# Allegro board BeagleBoard-xM.brd (continued)
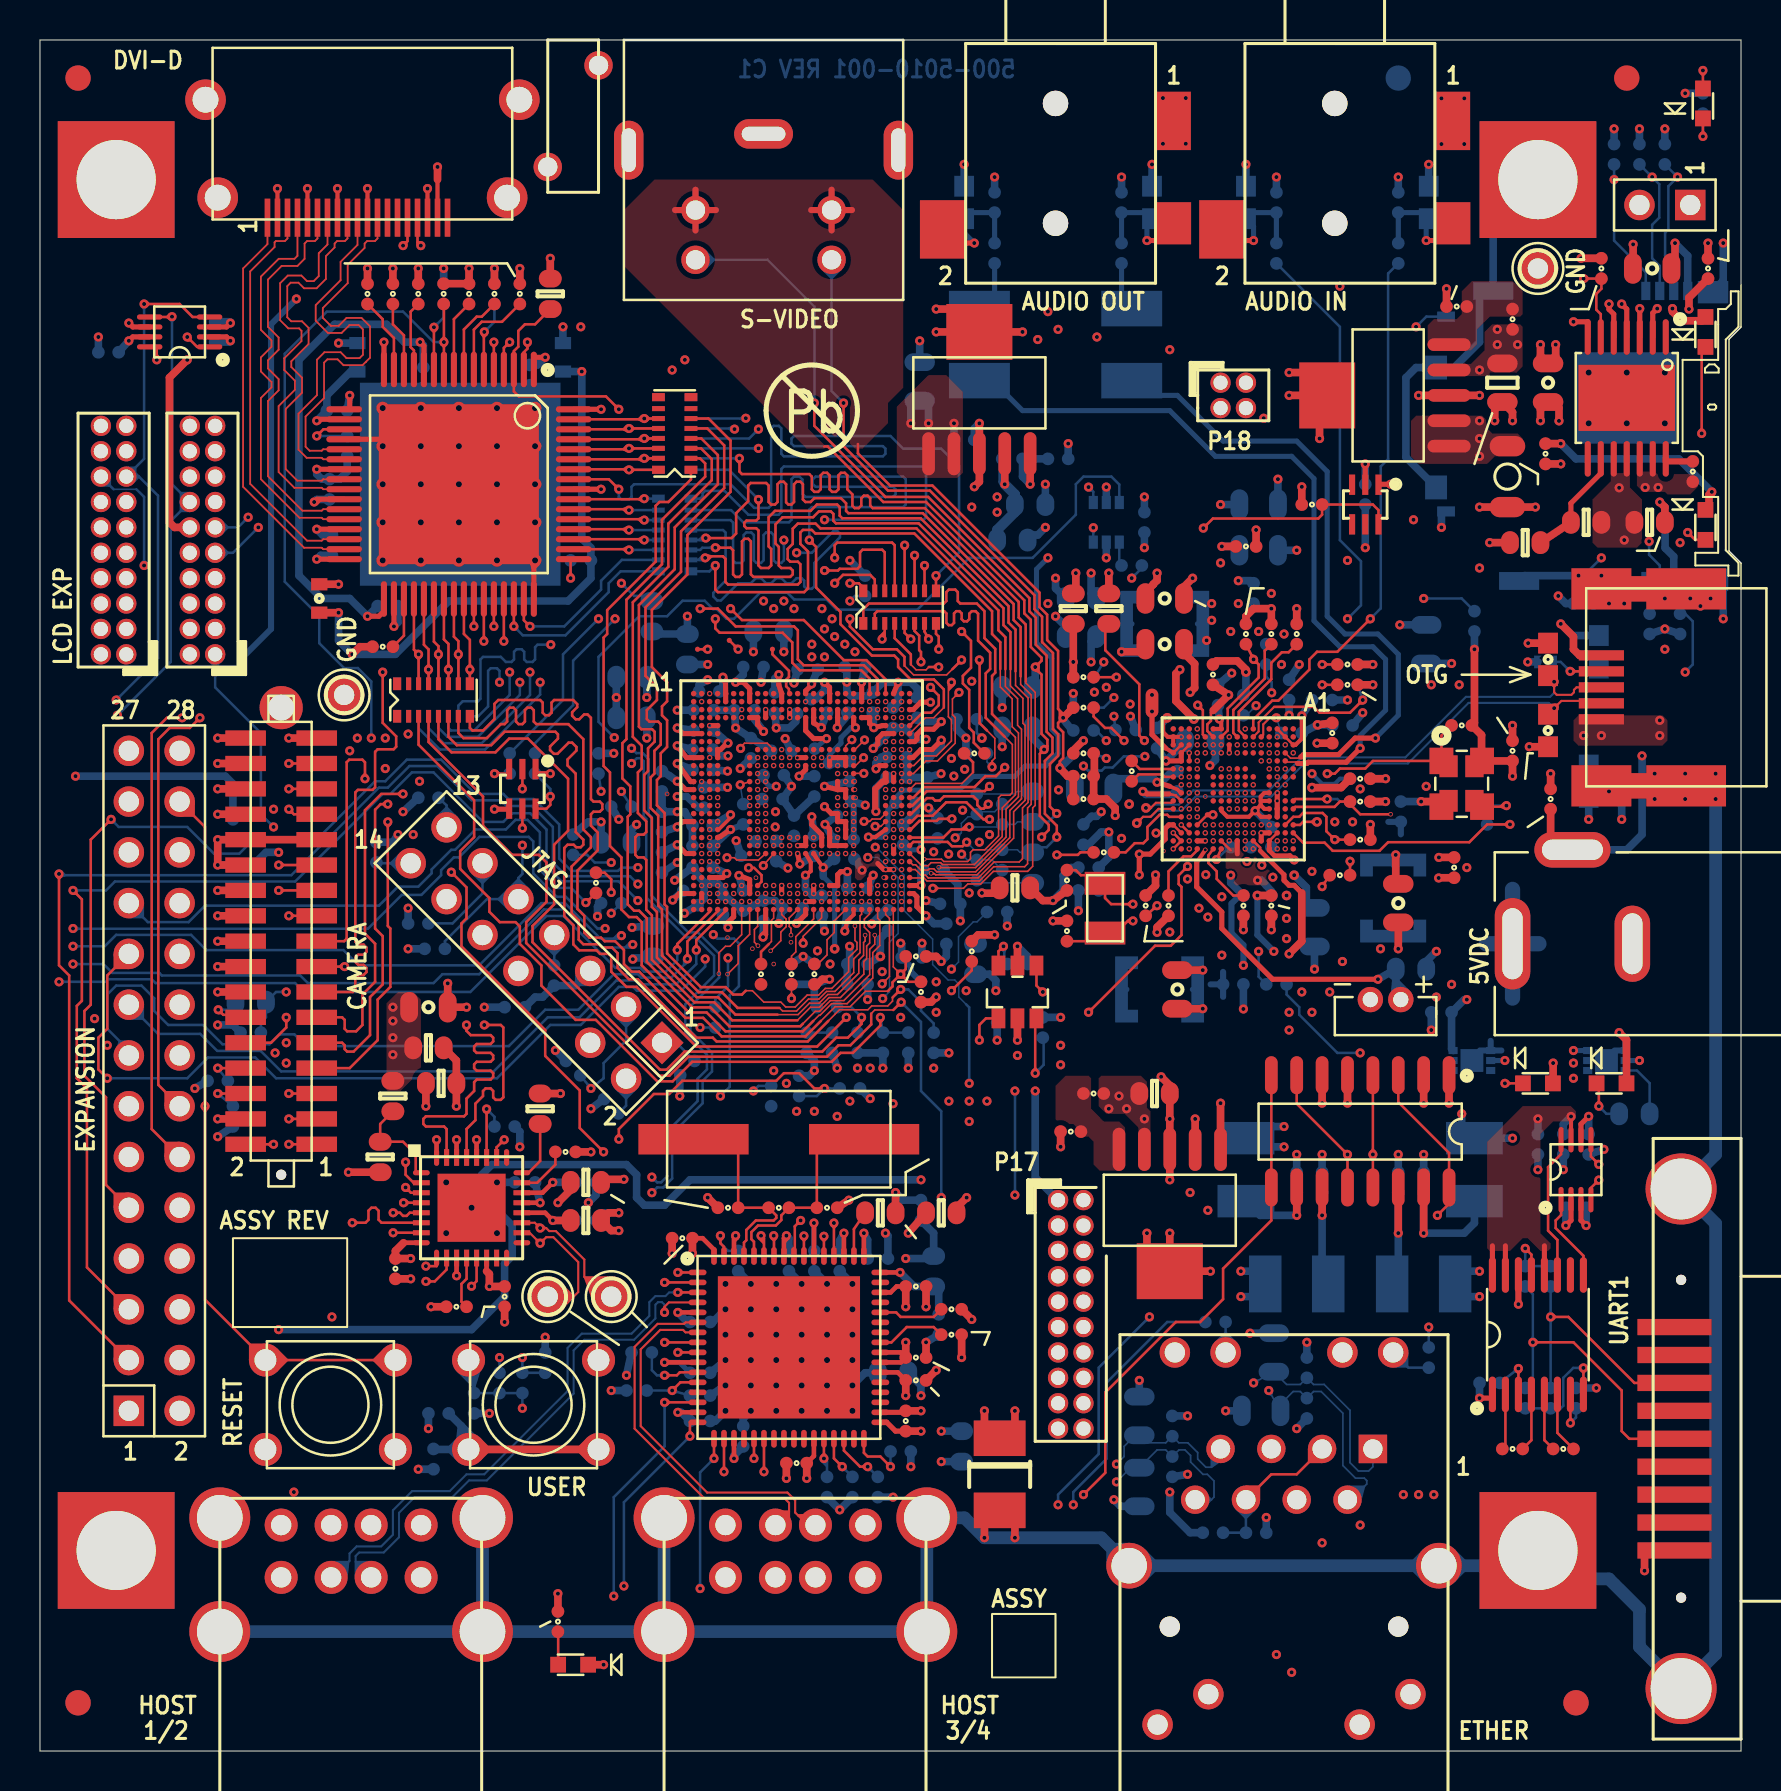
[diagram p0: board, top side]
## Nets (continued)
T2_VIO.L: L6.2 U7.R3(VIO.L0) U7.T4(VIO.L1)
T2_VPRECH: C104.1 U7.N2(VPRECH) U7.P4(VBATS) U7.P5(VCCS)
T2_VREF: C91.2 U7.N16(VREF)
T2_XIN: C103.2 U7.P16(32KXIN) Y3.1
T2_XOUT: C102.2 U7.P15(32KXOUT) Y3.2
TCT_RCT: C198.1 P15.3(TCT) P15.6(RCT) R117.2
TFADJ: R87.2 U11.19(TFADJ)
TV_OUT1: L2.2 P4.3(P3) R32.1 U4.Y28(TV_OUT1)
TV_OUT1_IND: C10.2 L2.1
TV_OUT2: L3.2 P4.4(P4) R33.1 U4.W28(TV_OUT2)
TV_OUT2_IND: C11.2 L3.1
TV_VFB1: C10.1 R32.2 U4.Y27(TV_VFB1)
TV_VFB2: C11.1 R33.2 U4.W27(TV_VFB2)
TV_VREF: C9.1 R34.2 U4.W26(TV_VREF)
TVDD: C153.1 C154.1 L8.2 R87.1 U11.23(TVDD#23) U11.29(TVDD#29)
TXC+: P12.10(CLK+) U11.22(TXC+)
TXC-: P12.12(CLK-) U11.21(TXC-)
TXD0+: P12.7(DAT0+) U11.25(TXD0+)
TXD0-: P12.9(DAT0-) U11.24(TXD0-)
TXD1+: P12.4(DAT1+) U11.28(TXD1+)
TXD1-: P12.6(DAT1-) U11.27(TXD1-)
TXD2+: P12.1(DAT2+) U11.31(TXD2+)
TXD2-: P12.3(DAT2-) U11.30(TXD2-)
TXN: C203.1 P15.2(TD-) R116.1 U15.56(TXN)
TXP: C202.1 P15.1(TD+) R115.1 U15.55(TXP)
U16_FB: R111.1 R113.1 U16.5(ADJ)
UART3_RX: U4.H20(UART3_RX_IRRX/GPIO_165) U10.4(A2)
UART3_RX_3V: U9.9(ROUT) U10.1(B2)
UART3_TX: U4.H21(UART3_TX_IRTX/GPIO_166) U10.5(A1)
UART3_TX_3V: U9.11(DIN) U10.8(B1)
USB0HS_CLK: U4.T28(USB0HS_CLK/GPIO_120) U7.L15(UCLK)
USB0HS_DAT0: U4.T27(HBUSB0_D0/UART3_TX_IRTX/GPIO_12) U7.K14(DATA0/UART4.TXD)
USB0HS_DAT1: U4.U28(HSUSB0_D1/UART3_RX_IRRX/GPIO_13) U7.K13(DATA1/UART4.RXD)
USB0HS_DAT2: U4.U27(HSUSB0_D2/UART3_RTS_SD/GPIO_131) U7.J14(DATA2/UART4.RTSI)
USB0HS_DAT3: U4.U26(HSUSB0_D3/UART3_CTS_RCTX/GPIO_1) U7.J13(DATA3/UART4.CTSO/GPIO.12)
USB0HS_DAT4: U4.U25(HSUSB0_D4/GPIO_188) U7.G14(DATA4/GPIO.14)
USB0HS_DAT5: U4.V28(HSUSB0_D5/GPIO_189) U7.G13(DATA5/GPIO.3)
USB0HS_DAT6: U4.V27(HSUSB0_D6/GPIO_190) U7.F14(DATA6/GPIO.4)
USB0HS_DAT7: U4.V26(HSUSB0_D7/GPIO_191) U7.F13(DATA7/GPIO.5)
USB0HS_DIR: U4.R28(USB0HS_DIR/GPIO_122) U7.L13(DIR/GPIO.10)
USB0HS_NXT: U4.T26(USB0HS_NXT/GPIO_124) U7.M13(NXT/GPIO.11)
USB0HS_STP: U4.T25(USB0HS_STP/GPIO_121) U7.L14(STP/GPIO.9)
USB2HS_CLK: R35.1 U14.26(REFCLK)
USB2HS_DAT0: U4.AG8(ETK_D14/HSUSB2_D0/GPIO_28/MM2_R) U14.3(DATA0)
USB2HS_DAT1: U4.AH8(ETK_D15/HSUSB2_D1/GPIO_29/MM2_T) U14.4(DATA1)
USB2HS_DAT2: U4.AB2(MCSPI1_CS3/HSUSB2_TLL_D2/HSUSB2) U14.5(DATA2)
USB2HS_DAT3: U4.V3(MCSPI2_CS1/GPT8_PWM_EVT/HSUSB2_) U14.6(DATA3)
USB2HS_DAT4: U4.Y2(MCSPI2_SIMO/GPT9_PWM_EVT/HSUSB2) U14.7(DATA4)
USB2HS_DAT5: U4.Y3(MCSPI2_SOMI/GPT10_PWM_EVT/HSUSB) U14.9(DATA5)
USB2HS_DAT6: U4.Y4(MCSPI2_CS0/GPT11_PWM_EVT/HSUSB2) U14.10(DATA6)
USB2HS_DAT7: U4.AA3(MCSPI2_CLK/HSUSB2_TLL_D7/HSUSB2) U14.13(DATA7)
USB2HS_DIR: U4.AG7(ETK_D12/HSUSB2_DIR/GPIO_26/HSUS) U14.31(DIR)
USB2HS_NRST: R103.1 U4.AD25(UART2_RX/MCBSP3_FSX/GPT8_PWMEVT) U14.27(RESETB)
USB2HS_NXT: U4.AH7(ETK_D13/HSUSB2_NXT/GPIO_27/MM2_) U14.2(NXT)
USB2HS_STP: U4.AF7(ETK_D11/HSUSB2_STP/GPIO_25/MM2_) U14.29(STP)
USB33_ID: R100.1 U14.23(ID)
USB33_RBIAS: R102.1 U14.24(RBIAS)
USB33_VBUS: R99.1 U14.22(VBUS)
USB33_VDD3.3: C165.1 C166.1 U14.20(VDD3.3)
USB_1V8: C128.1 C167.1 R98.1 R159.2 U7.M3(VAUX2.OUT)
USB_1V8F: C164.1 C205.1 C206.1 R159.1 U14.8(REFSEL0) U14.11(REFSEL1) U14.14(REFSEL2) U14.28(VDD1.8_0) U14.30(VDD1.8_1) U14.32(VDDIO)
USB_CLK: R35.2 U4.AE7(ETK_D10/UART1_RX/HSUSB2_CLK/GPI)
USBDM0: TP6.1(TP) U14.19(DM) U15.58(USBDM0)
USBDM2: P14.A2(DA-) U15.1(USBDM2)
USBDM3: P14.B2(DB-) U15.3(USBDM3)
USBDM4: P16.A2(DA-) U15.6(USBDM4)
USBDM5: P16.B2(DB-) U15.8(USBDM5)
USBDP0: TP7.1(TP) U14.18(DP) U15.59(USBDP0)
USBDP2: P14.A3(DA+) U15.2(USBDP2)
USBDP3: P14.B3(DB+) U15.4(USBDP3)
USBDP4: P16.A3(DA+) U15.7(USBDP4)
USBDP5: P16.B3(DB+) U15.9(USBDP5)
USBLED_R: D14.1(C) R136.2
USER_SW: R145.1 R148.1 R149.2 S1.1(A1) S1.2(A2)
USR0_LED: Q1.6(3) R39.1
USR0_LED_R: D6.1(C) R39.2
USR1_LED: Q1.3 R40.1
USR1_LED_R: D7.1(C) R40.2
USRBIAS: R109.2 U15.63(USBRBIAS)
VDAC_1V8: C75.1 C122.1 U4.V25(VDDA_DAC) U7.L2(VDAC.OUT)
VIO_1V8: C8.1 C12.2 C45.2 C55.1 C61.2 C62.2 C63.2 C64.2 C65.2 C66.2 C67.2 C69.1 C76.1 C77.1 C78.1 C85.1 C107.1 C136.1 C138.1 C147.2 C159.2 C204.1 L6.1 P3.5 P9.1 P13.2 P17.1 R17.2 R18.1 R19.1 R20.1 R21.1 R24.1 R25.1 R26.2 R27.1 R28.2 R29.1 R30.1 R36.2 R37.2 R38.2 R42.1 R55.2 R61.1 R62.1 R66.1 R67.1 R81.1 R84.1 R92.1 R124.1 R125.2 R126.2 R127.2 R130.1 R135.2 R138.1 R145.2 R146.2 R155.1 R160.1 U4.AA14(VDDS_WKUP_BG) U4.AD3(VDDS1) U4.AD4(VDDS3) U4.AE8(VDDS4) U4.AE16(VDDS6) U4.AE23(VDDS8) U4.AF8(VDDS5) U4.AF16(VDDS7) U4.AF23(VDDS9) U4.AG20(VDDS_CSI2) U4.AG27(VDDS12) U4.F25(VDDS10) U4.F26(VDDS11) U4.H28(VDDS_CSIB) U4.W4(VDDS2) U4.W16(VDDS_SRAM) U5.5(VCC) U7.C8(IO.1P8) U7.N3(VIO.OUT) U10.3(VCCA) U12.3(VCCA) U12.6(OE) U18.5(VCC) Y1.4(+VCC)
VMMC2: C127.1 P17.2 U7.A4(VMMC2.OUT)
VRTC: C134.1 U7.K16(VRTC)
VUSB.3P1: C131.1 U7.P9(VUSB.3P1)
XI: C178.1 R112.1 U15.61(XI) Y4.1
XO: C179.1 R112.2 U15.60(XO) Y4.2
N18763702: R146.1 R147.1 S1.3(B1) S1.4(B2)
N21663316: P10.24(12) P10.25(30) P10.26(13) R151.1 R154.1
N24685157: R8.2 U2.6(LDO_EN) U18.6(1Y)
N25696196: D13.1(C) R121.2
N26443179: C210.2 U4.U4(BG_TESTOUT)
N27087084: C199.1(P1) U7.N8(TXAF/ADCIN4)
N27930577: R156.1 U18.4(2Y)
N27967047: R157.2 U4.AE2(MMC2_CLK/MCSPI3_CLK/GPIO_130)
N27971192: R158.1 U2.14(SW_PLDN)
N28217649: Q2.2(5) R144.2
N28306649: R121.1 U31.3(F\L\A\G\)

Pads without a net: NOREF#3 1; NOREF#11 1; NOREF#12 1; NOREF#19 1; NOREF#28 1; NOREF#29 1; NOREF#30 1; NOREF#31 1; P8 1 4 6 7 8 9; P12 13 14 19; Q2 3 4 5; R45 2; R46 2; RP1 7 8 9 10; RP2 1 2 15 16; RP5 7 8 9 10; RP7 1 2 15 16; U2 1 8; U4 A1 A2 A4 A6 A7 A9 A10 A11 A14 A16 A17 A19 A20 A21 A27 A28 AA8 AB1 AC1 AC2 AC3 AD1 AD2 AE1 AE6 AE22 AF5 AF17 AG1 AG18 AG19 AG28 AH1 AH2 AH13 AH18 AH19 AH27 AH28 B1 B3 B4 B6 B7 B9 B10 B11 B13 B14 B16 B17 B19 B20 B21 B26 B28 C1 C2 C3 C4 C5 C6 C8 C9 C11 C12 C14 C15 C17 C18 C20 C21 D1 D2 D3 D4 D5 D6 D11 D12 D14 D17 D18 D20 D25 E1 E2 F3 F4 G1 G2 G3 G4 H1 H2 H3 H9 H10 H13 H14 H15 H16 H17 H18 H19 J8 K1 K2 K3 K4 K8 L1 L2 L3 L4 L8 M3 M4 N3 N4 N8 P1 P2 P26 P27 R1 R2 R3 R25 R27 T1 T2 T3 T4 T8 U3 U8 V1 V2 V8 W1 W2 Y1 Y8; U7 A1 A2 A6 A7 A16 B1 B7 B9 B10 B11 B12 B14 C3 C5 C13 D1 D2 D7 D8 E4 F4 F7 F9 G4 G6 G7 G8 G11 H6 H7 J10 K7 K8 K9 K10 L7 L8 L9 L10 N7 N14 P1 P2 P6 P13 R1 R16 T1 T15; U9 10; U14 15 16 17 25; U15 13 20 23 24 25 26 31 35 36 37 42 43 45 47; U32 3

## Via types
v1: diameter 0.457, hole 0.203, TOP to BOTTOM, 1014 vias
v2: diameter 0.229, hole 0.152, TOP to LYR3-SIG, 181 vias
v3: diameter 0.229, hole 0.152, TOP to LYR2-GND, 174 vias
v4: diameter 0.483, hole 0.203, TOP to BOTTOM, 16 vias
v5: diameter 0.61, hole 0.305, TOP to BOTTOM, 41 vias
v6: diameter 0.635, hole 0.305, TOP to BOTTOM, 31 vias

## Routing (per net, layer and track width the routed paths; a pad name or vN(x,y) marks a point on that pad's centre or on a via; arc(x,y) is an arc through that point)
3V3_ADJ: length 5.6
  TOP w0.254: R9.2 76.58,62.42 78.07,63.91 U2.9
  TOP w0.381: R10.1 R9.2
GND: length 557.4
  TOP w0.127: v3(56.69,45.13) U7.R15 v3(56.69,45.93) ; U7.R10 56.81,47.81 56.47,47.88 ; 39.23,65.26 39.41,65.26 42.19,62.48 44.32,62.48 49.24,57.57 49.24,56.91 49.56,56.59 49.56,55.23 50.1,54.7 50.1,54.55 v1(49.78,54.23) 49.78,54.17 50.1,53.85 50.1,50.89 50.39,50.59 50.39,50.27 v1(50.23,50.1) 50.01,49.89 50.01,46.78 50.46,46.33 50.46,46.08 v1(50.1,45.72) ; v1(51.02,49.17) 51.02,49.51 51.18,49.68 51.18,50.97 50.93,51.22 50.93,51.44 v1(51.18,51.69) 51.18,51.88 50.93,52.13 50.93,55.03 50.38,55.58 50.38,56.85 50,57.23 50,57.95 44.64,63.31 42.52,63.31 40.92,64.92 40.92,65.38
  TOP w0.203: P12.8 v1(14.88,78.16) ; P12.11 v1(16.38,78.16) ; U4.AH21 40.7,41.84 40.39,41.53 v1(40.26,41.02) ; v4(56.39,51.69) 56.18,51.49 56.18,50.96 56.41,50.73 U7.T2 ; v3(59.49,49.93) 59.49,49.93 U7.J3 ; U7.T2 57.09,50.73 v3(57.09,50.73) ; U7.T2 U7.T3 ; P12.2 v1(11.88,78.16) ; P12.17 v1(19.39,78.16) ; P12.5 v1(13.38,78.16)
  TOP w0.254: v3(38.3,42.5) U4.AG16 ; 41.91,44.4 42.21,44.1 v3(42.3,44.1) v3(42.7,44.1) ; v3(37.5,51.7) v3(37.5,52.1) ; v1(39.88,51.19) 39.9,51.22 U4.D19 U4.C19 ; U11.17 15.49,67.12 v1(15.49,67.82) ; v6(17.14,65.28) 17.14,65.62 U11.20 ; U12.2 9.33,70.74 v1(9.53,70.55) ; v1(13.72,62.48) 13.86,62.62 U11.26 ; U4.D10 U4.C10 ; 56.47,47.88 55.37,47.88 v1(55.17,48.01) ; v1(22.73,47.12) 23.44,47.12 Q1.4 ; U10.2 76.59,26.55 v1(76.33,26.29) ; C181.2 43.23,16.94 U15.34 ; v1(67.56,63.37) 66.98,63.37 Q2.1 ; U2.7 77.42,71.5 v1(76.71,71.5) ; U4.AF2 v3(33.1,42.5) ; U9.1 72.65,17.65 v1(72.01,17.65) ; U7.C12 U7.C11 v3(61.89,47.53) v3(61.89,47.93) ; U11.56 v1(28.07,63.12) ; U7.N15 v3(58.29,45.53) ; v1(38.61,46.74) 38.61,46.34 39.1,45.85 U4.W17 U4.Y17 ; U11.16 v1(17.21,70.48) ; U4.M26 v3(42.7,48.9) ; U11.48 24.7,59.5 v6(24.76,59.56) ; U11.64 v1(28.07,67.12) ; v1(40.79,51.19) 40.7,51.29 U4.D21 ; U11.34 v1(17.71,56.26) ; v1(42.93,53.47) U4.A26 ; v1(25.53,48.9) 24.79,48.9 Q1.1 ; U4.E4 v3(33.5,51.3) ; U11.32 v1(13.84,59.62) ; v3(37.1,43.3) v3(37.1,42.9) ; U4.AA26 v2(42.7,45.3)
  TOP w0.305: 32.79,76.07 P4.1 ; P4.1 33.81,77.09 ; P4.1 32.79,78.11 ; P4.1 31.77,77.09 ; 38.58,77.09 P4.2 ; P4.2 39.6,76.07 ; P4.2 40.62,77.09 ; P4.2 39.6,78.11 ; U9.14 v1(73.95,22.35)
  TOP w0.381: 64.39,67.82 64.39,68.96 v1(62.48,68.96) ; 64.39,67.82 v1(62.48,67.82) ; 64.39,67.82 64.39,66.93 64.01,66.55 v1(64.01,65.66) ; D1.1 v1(74.5,50.24) ; v1(70.36,73.15) R15.2 ; C127.2 v4(63.91,51.33) ; C93.2 v1(66.67,53.34) ; 44.32,18.54 v1(44.83,19.05) ; v1(55.37,25.91) 55.37,24 U16.6 ; C122.2 58.85,54.53 59.89,54.53 60.33,54.1 v4(60.33,53.98) ; R113.2 v1(51.05,30.23) ; v1(56.52,28.58) U16.3 v1(56.52,31.62) C177.2 56.52,33.3 v1(56.08,33.73) ; 10.29,50.67 v1(8.89,50.67) ; C213.2 v1(69.98,44.7) ; P1.5 77.01,54.81 76.71,55.12 76.71,55.75 v1(76.07,56.39) ; v1(39.5,38.61) 39.13,38.61 38.88,38.35 C82.2 ; v1(46.74,63.25) 46.99,63.5 U8.3 v1(46.99,66.42) ; C178.2 v1(33.4,27.69) ; v1(58.55,24) U16.6 ; U16.6 v1(56.52,25.91) ; C145.2 v1(83.44,75.44) ; v1(68.96,67.82) U3.3 v1(72.01,67.82) ; v1(45.09,39.5) 44.83,39.75 44.32,39.75 ; 44.32,19.68 v1(44.32,20.45) ; C121.2 v1(61.59,41.08) ; v1(55.88,58.93) 55.88,58.56 55.69,58.37 55.69,58.36 55.3,57.96 C136.2 ; P8.5 80.26,10.03 v1(80.26,9.02) ; C92.2 v1(66.67,54.36) ; U8.6 46.99,72.14 v1(44.83,72.14) ; U8.6 v1(49.15,70.99) ; U8.6 v1(44.83,70.99) ; v1(29.21,28.6) 28.22,28.6 C169.2 ; v1(21.34,37.21) C167.2 v1(20.4,38.4) ; C133.2 v1(60.2,41.08) ; v1(74.8,62.23) C6.2 v1(72.01,62.23) ; R122.2 v1(15.43,28.96) ; v1(50.67,41.53) C103.1 ; C107.2 v1(67.31,48.64) ; v1(28.96,26.03) 28.57,26.03 C166.2 28.45,26.92 v1(28.96,26.92) ; C77.2 50.16,42.55 v1(50.67,42.55) C102.1 ; P10.20 v1(8.89,41.78) ; v1(55.88,40.96) 55.88,41.21 C91.1 ; v1(69.09,47.5) 70.1,47.5 Y1.2 ; v1(27.56,29.97) R100.2 ; 10.29,46.86 v1(8.89,46.86) ; v1(58.17,37.13) C118.2 ; v1(74.44,55.42) D4.1 ; C7.2 v1(76.07,64.39) ; v1(48.77,17.02) 48.77,15.65 R119.1 47.24,15.65 v1(47.24,17.02) ; C181.2 v1(44.07,17.02) ; v1(19.3,32.26) C205.2 ; v1(23.24,21.46) C206.2 ; v1(75.06,70.36) 75.06,69.8 C5.2 75.82,69.8 v1(75.82,70.36) ; v1(55.8,43.83) 55.8,43.29 R54.2 ; U13.5 v1(65.41,32.41) ; C96.1 v1(62.87,57.15) ; 44.32,23.24 v1(44.32,22.23) ; C123.2 60.33,56.77 60.71,57.15 v1(61.59,57.15) C97.1 ; R102.2 v1(26.04,32.89) ; P10.14 v1(8.89,37.97) ; 73.66,50.55 v1(73.66,51.31) ; R52.2 C83.2 51.4,48.77 v1(51.02,49.17) ; v1(51.18,51.69) C130.2 ; U13.1 v1(70.48,32.41) ; C104.2 v1(51.69,54.48) C86.2 ; C164.2 v1(18.54,23.62) ; 13.84,50.67 v1(12.45,50.67) ; 17.65,73.41 v1(17.65,74.17) ; C144.2 79.69,74.18 v1(79.69,75.37) ; C207.2 81.28,62.23 v1(81.03,62.48) ; R136.1 v1(25.91,7.87) ; C128.2 55.3,54.99 v1(54.1,54.99) ; C209.2 v1(19.56,22.23) ; R10.2 v1(72.52,60.45) ; 18.92,73.41 v1(18.92,74.17) ; P10.4 v1(8.89,31.62) ; v1(60.83,61.09) C139.2 ; 31.62,25.65 v1(31.62,24.89) ; C185.2 v1(37.34,13.64) ; C179.2 v1(40.46,27.56) ; P10.22 v1(8.89,43.05) ; C112.2 v1(67.95,40.13) ; R106.2 v1(46.61,21.59) ; U5.2 v1(48.9,40.26) ; R63.1 v1(42.8,27.94)
  LYR2-GND w0.254: v3(38.3,52.5) 37.72,53.08 v1(37.72,53.43) ; v3(33.9,47.7) v1(34.39,48.21) ; v1(34.39,49.02) 33.62,49.02 v3(33.1,48.5) ; v3(33.5,52.9) v1(33.4,53.59) ; v3(36.3,52.1) v1(36.07,53.47) ; v3(33.1,46.5) 32.37,46.5 v1(31.88,46.99) ; v3(37.5,51.7) v1(36.83,51.18) ; v3(33.1,42.5) 32.51,41.91 v1(32.23,41.91) ; v1(31.88,44.45) v3(33.1,44.9) ; v1(34.42,49.78) v3(33.5,49.7) ; v1(31.88,52.07) v3(33.5,51.3)
  LYR2-GND w0.305: 2.53,66.81 P11.20 3.57,66.81 ; 39.6,76.2 P4.2 ; P4.2 40.49,77.09 ; P4.2 38.71,77.09 ; P3.4 28.46,35.43 ; P3.4 26.58,35.43 ; P3.4 27.52,36.37 ; P3.4 27.52,34.49 ; 19.07,10.3 P14.A4 ; P14.A4 19.07,12.31 ; P14.A4 18.06,11.3 ; P14.A4 20.07,11.3 ; 62.87,11.68 P15.4 ; P15.4 61.98,12.57 ; P15.4 63.75,12.57 ; P15.4 62.87,13.46 ; P9.27 4.45,50.98 ; P9.27 3.5,50.04 ; P9.27 5.39,50.04 ; P9.27 4.45,49.1 ; 6.98,49.1 P9.28 ; P9.28 6.04,50.04 ; P9.28 6.98,50.98 ; P9.28 7.93,50.04 ; 50.41,16.65 P17.19 50.41,15.61 ; 66.55,36.78 BT1.2 65.73,37.59 ; 10.27,15.09 S2.4 ; S2.4 11.28,16.09 ; S2.4 11.28,14.08 ; S2.4 12.28,15.09 ; 16.78,15.09 S2.3 ; S2.3 18.78,15.09 ; S2.3 17.78,16.09 ; S2.3 17.78,14.08 ; 19.07,7.68 P14.B4 ; P14.B4 19.07,9.69 ; P14.B4 20.07,8.69 ; P14.B4 18.06,8.69 ; 40.29,8.69 P16.B4 ; P16.B4 41.29,7.68 ; P16.B4 42.29,8.69 ; P16.B4 41.29,9.69 ; 21.19,40.82 P3.10 ; P3.10 22.13,41.76 ; P3.10 22.13,39.88 ; P3.10 23.08,40.82 ; 8.76,66.95 8.76,66.29 9.42,66.29 ; 23.93,38.08 P3.8 ; P3.8 24.87,39.03 ; P3.8 23.93,39.97 ; P3.8 22.99,39.03 ; 20.34,41.68 P3.12 ; P3.12 19.4,42.62 ; P3.12 21.28,42.62 ; 61.59,15.11 61.59,16 ; 61.59,15.11 61.59,14.22 ; 61.59,15.11 60.71,15.11 ; 61.59,15.11 62.48,15.11 ; 7.49,66.95 P13.20 6.83,66.29 ; 32.79,76.2 P4.1 ; P4.1 33.68,77.09 ; P4.1 31.9,77.09 ; 40.29,11.3 P16.A4 ; P16.A4 42.29,11.3 ; P16.A4 41.29,12.31 ; P16.A4 41.29,10.3 ; 4.32,66.95 P11.19 4.98,66.29 ; TP2.1 75.93,74.17 ; TP2.1 74.93,73.16 ; TP2.1 73.93,74.17 ; TP2.1 74.93,75.17 ; 14.21,52.83 TP1.1 ; TP1.1 15.21,53.84 ; TP1.1 16.22,52.83 ; TP1.1 15.21,51.83 ; 52.72,15.61 P17.20 52.72,16.65
  LYR2-GND w0.762: P2.2 79.65,42.6 ; P2.2 78.46,40.39 ; P2.2 80.85,40.39 ; P2.2 79.65,38.18
  LYR3-SIG w0.254: v1(40.36,53.47) 40.77,53.06 40.77,52.43 v2(41.1,52.1)
  LYR4-SIG w0.305: P3.8 24.87,39.03 ; P3.8 23.93,38.08 ; P3.8 23.93,39.97 ; P3.8 22.99,39.03 ; 21.19,40.82 P3.10 ; P3.10 22.13,41.76 ; P3.10 22.13,39.88 ; P3.10 23.08,40.82 ; 20.34,41.68 P3.12 ; P3.12 19.4,42.62 ; P3.12 21.28,42.62
  LYR4-SIG w0.381: v1(82.3,82.93) 82.04,82.68 v1(71.25,82.68) ; v1(79.69,75.37) 80.18,74.89 82.89,74.89 v1(83.44,75.44)
  BOTTOM w0.254: U31.6 v1(76.71,35.04) ; U31.2 v1(80.01,34.54) ; C41.1 39.48,49.78 39.51,49.82 39.51,49.86 40.07,50.42 40.07,50.7 40.56,51.19 v1(40.79,51.19) ; U32.2 v1(73.28,34.54)
  BOTTOM w0.305: C47.1 40.7,47.39 C43.1 ; P4.1 33.81,77.09 ; P4.1 31.77,77.09 ; P4.1 32.79,78.11 ; P4.1 32.79,76.07 ; 39.6,76.07 P4.2 ; P4.2 38.58,77.09 ; P4.2 39.6,78.11 ; P4.2 40.62,77.09
  BOTTOM w0.33: C56.2 v1(31.88,44.45)
  BOTTOM w0.381: C49.1 45.34,39.75 v1(45.09,39.5) ; v1(71.12,31.88) 71.12,30.66 C163.2 v1(73.66,30.66) ; C152.2 v1(15.49,67.82) ; C142.2 v1(44.01,70.55) ; C114.2 56.74,47.85 55.32,47.85 v1(55.17,48.01) ; v1(42.93,53.47) 43.56,53.47 43.88,53.15 C25.1 ; v1(42.93,53.47) 42.16,53.47 C53.1 41.48,52.78 40.56,52.78 40.36,52.98 v1(40.36,53.47) 40.36,54.13 C34.1 ; v1(42.93,53.47) 42.93,52.45 C61.1 ; C57.2 C33.1 v1(31.88,46.99) 32.26,46.99 C80.2 C66.1 ; R85.1 30.73,55.88 C22.2 v1(32.38,56.77) ; v1(34.42,49.78) 33.97,49.78 C26.1 ; v1(72.01,24) 70.79,24 C162.2 70.79,22.73 v1(72.01,22.73) ; C191.2 v5(39.37,23.37) ; C187.2 33.78,16.51 v5(34.29,17.02) ; C76.2 v4(42.04,39.75) 42.04,40.64 C74.1 ; D8.1 v1(55.63,79.38) ; C30.1 32.97,53.34 v1(33.4,53.59) ; v1(60.2,41.08) C133.2 ; C104.2 v1(51.69,54.48) ; v1(45.09,16) C184.2 ; C24.1 36.2,50.29 C20.1 v1(34.8,51.18) C40.1 33.71,52.07 ; v1(24,30.23) 24,30.99 R103.2 ; v1(45.07,48.9) C50.1 C54.1 C68.2 ; 64.64,52.58 v1(65.41,52.58) ; C141.2 46.74,66.17 v1(46.99,66.42) ; D9.1 v1(46.23,79.38) ; C90.2 v1(54.1,78.74) ; J1.1 v1(74.42,54.48) ; C16.2 30.58,39.67 29.66,39.67 v1(29.65,39.61) ; C46.1 40.39,49.4 39.5,49.4 C41.1 ; C92.2 v1(66.67,54.36) ; C13.2 v1(28.83,52.7) C18.2 ; C110.2 v1(69.09,47.5) ; C165.2 28.19,26.92 v1(28.96,26.92) ; C72.1 v1(41.12,44.07) ; C175.2 42.42,25.78 v1(42.29,25.91) ; v1(50.23,50.1) 49.66,50.67 C39.2 ; 76.33,27.18 v1(76.33,26.29) ; 33.23,43.47 32.87,43.82 C62.1 v1(31.75,43.56) ; 33.23,43.47 33.23,42.64 C60.2 v1(32.23,41.91) ; 33.23,43.47 33.26,43.43 33.88,43.43 34.16,43.15 C32.1 C65.1 C59.2 36.77,42.55 C58.2 v1(36.96,41.4) ; C105.2 58.8,49.58 v1(58.52,49.3) ; v1(27.89,41.76) 27.89,42.24 R22.2 ; C70.2 46.32,49.95 v1(46.32,50.67) 45.85,51.14 C81.2 ; C199.2 v1(54.55,51.77) ; v5(40.64,18.29) 41.28,18.92 C190.1 ; C64.1 C42.1 v1(40.26,41.02) ; C158.2 v1(2.92,70.74) ; C201.2 v1(57.4,13.84) ; v1(60.07,22.73) 61.29,22.73 C161.2 61.29,24 v1(60.07,24) ; C36.1 v1(36.07,53.47) ; C35.1 37.8,51.5 37.49,51.18 v1(36.83,51.18) C29.1 ; v1(39.24,41.02) C79.2 ; C107.2 v1(67.31,48.64) ; R140.2 38.48,33.78 v1(38.73,34.04) 38.73,34.54 R141.2 ; v1(51.18,51.69) 51.18,51.63 51.64,51.05 C131.2 ; C204.2 v1(55.25,62.74) ; U18.2 v1(53.34,63.23) ; C168.2 v5(22.86,28.45) ; C109.2 v4(56.39,51.69) ; C197.2 v1(44.32,20.45) ; v1(63.75,39.12) C111.2 ; R65.2 69.34,39.5 v1(69.85,40.01) ; R143.2 v1(43.43,34.16) ; C192.2 v5(38.1,23.37) ; C154.2 13.84,62.61 v1(13.72,62.48) ; v1(81.03,62.48) 81.29,62.22 81.29,60.19 81.73,59.75 P7.6 ; C200.2 v1(57.4,16.76) ; v1(62.23,30.23) 60.33,30.23 C160.2 60.33,31.24 v1(62.23,31.24) ; C137.2 60.33,52.96 v4(60.33,53.98) ; v1(50.67,42.55) 51.18,43.05 51.18,43.8 51.57,44.2 C84.2 ; C198.2 v1(61.34,11.68) ; C174.2 v5(34.29,18.29) ; C119.2 v1(68.02,56.34) ; R31.2 v1(27.56,32.13) ; v1(51.94,42.04) R53.2 ; v1(42.8,27.94) 43.18,27.56 C196.1 ; R23.2 27.43,46.48 v1(28.07,46.48) C23.2 ; C195.2 34.16,19.43 v5(34.29,19.56) ; C172.2 v1(64.14,29.84) ; C138.2 60.58,58.55 v1(59.94,58.55) ; R41.2 v1(25.27,20.7) ; C126.2 64.62,51.33 v4(63.91,51.33) 63.12,50.93 ; C52.1 45.91,43.37 45.91,42.48 C73.1 v1(46.04,41.53) ; R139.2 v1(45.47,34.92) ; C15.1 v1(37.59,48.26) C17.1 C31.1 38.73,47.75 ; C9.2 43.82,46.99 C75.2 v1(44.45,47.18) R34.1 ; v1(39.88,51.19) 40.39,51.8 C28.1 ; v1(9.53,70.55) 9.46,70.48 C159.1 ; C14.1 v1(34.82,45.54) ; v5(35.56,17.02) 35.18,16.64 C183.2 ; v1(47.82,38.04) 47.82,38.54 47.5,38.86 C55.2 ; C171.2 v1(62.87,29.84) ; C176.2 v5(40.64,23.37) ; v1(37.41,44.17) C19.1 ; 17.91,57.28 17.91,56.46 v1(17.71,56.26) ; v5(34.29,22.1) 33.66,21.46 C194.2 ; R137.2 v1(28.96,46.61) ; C27.1 v1(34.39,48.21) ; C117.2 v1(60.2,37.12) ; D3.1 v1(77.47,46.61) ; C48.1 v1(37.72,53.43) ; C129.2 51.69,49.82 v1(51.02,49.17) 51.77,48.43 C132.2 ; D2.1 76.66,55.8 v1(76.07,56.39) ; R12.1 v1(82.3,82.93) ; 32.69,52.07 v1(31.88,52.07) ; C67.1 v1(44.12,40.41) ; C202.2 v1(63.37,20.45) ; C146.1 v1(74.93,29.08) ; R142.2 38.73,37.34 C82.2 ; D11.1 v1(60.33,79.38) ; R43.2 49.4,39.75 v1(48.9,40.26) ; v1(41.28,47.32) C43.1 ; C89.2 v1(47.75,78.74) ; C210.1 v1(28.7,49.91) ; C125.2 v1(62.99,54.36) ; C170.2 v1(69.22,29.84) ; v1(49.78,54.23) 49.78,53.34 C21.2 ; R71.2 v1(51.44,65.41) ; C143.2 v1(76.2,29.08) ; D10.1 v1(69.47,79.38) ; C203.2 v1(62.87,16.13) ; P7.9 70.1,62.01 v1(70.1,61.21) ; C82.2 C45.1 ; C82.2 v1(39.5,38.61) ; C51.1 v1(34.39,49.02) ; C140.2 v1(61.93,63.63) ; C153.2 14.04,59.82 v1(13.84,59.62) ; v1(61.59,41.08) C121.2 ; C44.2 v1(37.21,54.99) ; C8.2 v1(22.22,37.21) ; C69.2 v1(38.61,46.74) ; C3.2 v1(79.12,46.61) ; C189.2 v1(62.87,60.07) ; C12.1 v1(47.88,35.56) ; C101.2 v1(61.85,78.74) ; C78.2 v1(41.4,37.59) ; R147.2 v1(18.92,14.1) ; R109.1 v5(35.56,23.37) ; C100.2 v1(67.95,78.74) ; C115.2 v1(59.61,53.92) ; C173.2 v1(67.95,29.84) ; C149.2 v1(77.85,18.16) ; C151.2 v1(72.01,17.65)
  vias: v1(54.53,52.37) v1(56.17,82.69) v1(56.17,80.41) v1(57.32,82.69) v1(57.32,80.41) v1(61.12,44.32) v1(70.1,82.68) v1(70.1,80.39) v1(71.25,80.39) v2(42.3,45.7) v2(42.3,45.3) v2(58.29,47.75) v3(33.1,52.5) v3(33.1,48.1) v3(33.5,47.7) v3(33.5,45.7) v3(33.5,42.5) v3(34.7,42.5) v3(35.1,52.1) v3(35.1,51.7) v3(35.9,49.3) v3(35.9,48.1) v3(35.9,47.7) v3(35.9,46.5) v3(35.9,46.1) v3(36.3,49.3) v3(36.3,47.7) v3(36.3,46.1) v3(36.3,45.7) v3(36.3,42.5) v3(37.1,49.7) v3(37.1,49.3) v3(37.1,45.3) v3(37.5,49.7) v3(37.5,45.7) v3(37.5,45.3) v3(37.9,45.7) v3(38.7,49.7) v3(38.7,49.3) v3(39.1,49.7) v3(39.1,49.3) v3(39.9,49.3) v3(39.9,48.9) v3(39.9,47.7) v3(39.9,47.3) v3(39.9,46.1) v3(39.9,45.7) v3(40.3,48.9) v3(40.3,48.5) v3(40.3,47.3) v3(40.3,46.9) v3(40.3,43.3) v3(40.3,42.9) v3(42.7,47.3) v3(43.1,52.5) v3(43.1,50.5) v3(43.1,49.7) v3(43.1,42.9) v3(43.5,48.5) v3(57.09,49.13) v3(57.89,51.13) v3(57.89,49.93) v3(57.89,49.53) v3(57.89,49.13) v3(59.49,49.13) v3(59.49,48.73) v3(59.49,48.33) v3(59.49,47.93) v3(59.49,47.13) v3(59.89,49.93) v3(59.89,47.93) v3(59.89,47.53) v3(59.89,47.13) v3(59.89,46.33) v3(60.29,50.33) v3(60.29,47.93) v3(60.69,48.33) v3(60.69,45.13) v3(61.09,49.53) v3(61.49,50.33) v3(61.89,48.73) v3(61.89,45.53) v3(61.89,45.13) v3(62.29,48.33) v3(62.29,45.53) v3(62.29,45.13) v3(62.69,45.53) v5(20.32,28.45) v5(20.32,25.91) v5(21.59,27.18) v5(22.86,25.91) v5(34.29,23.37) v5(34.29,20.83) v5(35.56,22.1) v5(35.56,20.83) v5(35.56,19.56) v5(35.56,18.29) v5(36.83,23.37) v5(36.83,22.1) v5(36.83,20.83) v5(36.83,19.56) v5(36.83,18.29) v5(36.83,17.02) v5(38.1,22.1) v5(38.1,20.83) v5(38.1,19.56) v5(38.1,18.29) v5(38.1,17.02) v5(39.37,22.1) v5(39.37,20.83) v5(39.37,19.56) v5(39.37,18.29) v5(39.37,17.02) v5(40.64,22.1) v5(40.64,20.83) v5(40.64,19.56) v5(40.64,17.02) v6(17.14,67.18) v6(17.14,63.37) v6(17.14,61.47) v6(17.14,59.56) v6(19.05,67.18) v6(19.05,65.28) v6(19.05,63.37) v6(19.05,61.47) v6(19.05,59.56) v6(20.95,67.18) v6(20.95,65.28) v6(20.95,63.37) v6(20.95,61.47) v6(20.95,59.56) v6(22.86,67.18) v6(22.86,65.28) v6(22.86,63.37) v6(22.86,61.47) v6(22.86,59.56) v6(24.76,67.18) v6(24.76,65.28) v6(24.76,63.37) v6(24.76,61.47) v6(77.47,68.96) v6(77.47,66.42) v6(79.38,68.96) v6(79.38,66.42) v6(81.28,68.96) v6(81.28,66.42)
GND_EARTH: length 231.5
  TOP w0.381: v1(48.77,10.67) 48.77,12.04 R119.2 47.24,12.04 v1(47.24,10.67)
  TOP w1.27: P1.9 P1.7 ; P1.8 P1.6
  LYR2-GND w0.305: P12.MTG4 9.47,82.61 ; P12.MTG4 7.09,82.61 ; P12.MTG4 8.28,81.41 ; P12.MTG4 8.28,83.8 ; 42.02,80.09 P4.MH3 ; P4.MH3 42.94,81.74 ; P4.MH3 43.85,80.09 ; P4.MH3 42.94,78.43 ; P4.MH2 36.2,81.81 ; P4.MH2 37.85,80.9 ; P4.MH2 34.54,80.9 ; P4.MH2 36.2,79.98 ; 22.17,77.71 P12.MTG1 ; P12.MTG1 23.37,76.51 ; P12.MTG1 23.37,78.9 ; P12.MTG1 24.56,77.71 ; 7.7,77.71 P12.MTG2 ; P12.MTG2 8.89,76.51 ; P12.MTG2 10.08,77.71 ; P12.MTG2 8.89,78.9 ; P4.MH1 30.37,80.09 ; P4.MH1 29.45,78.43 ; P4.MH1 28.54,80.09 ; P4.MH1 29.45,81.74 ; 22.78,82.61 P12.MTG3 ; P12.MTG3 23.98,83.8 ; P12.MTG3 25.17,82.61 ; P12.MTG3 23.98,81.41 ; 1.57,76.37 MH1.1 ; MH1.1 1.57,80.86 ; MH1.1 6.05,80.86 ; MH1.1 6.05,76.37
  BOTTOM w0.381: P7.13 84.2,73.58 v1(84.2,75.44) ; MH2.1 72.69,76.37 P7.11 72.01,73.04 72.01,70.48 70.73,69.21 P7.15 68.83,69.21 68.33,68.7 68.33,64.72 P7.16 ; v1(84.2,56.64) 84.2,58.08 P7.14 ; v1(76.96,58.8) 74.26,58.8 P7.12
  BOTTOM w0.635: P16.MH3 P16.MH4 P16.MH2 46.25,11.67 v1(47.24,10.67) v1(48.77,10.67) 53.09,10.67 P15.13 P15.14 74.17,9.27 MH4.1 76.35,8.61 78.49,8.61 80.01,7.09 80.01,5.21 P8.11 83.82,4.85 83.82,26.39 P8.10 83.82,29.84 v1(83.82,47.62) v1(83.82,48.9) ; P16.MH3 P14.MH4 ; P16.MH3 P16.MH1 ; P14.MH4 P14.MH2 ; P14.MH4 P14.MH3
  vias: v1(78.11,58.8) v1(78.49,57.4) v1(78.49,48.01) v1(79.25,57.4) v1(80.77,48.9) v1(80.77,47.62) v1(81.28,57.66) v1(82.3,48.9) v1(82.3,47.62) v1(82.55,57.66) v1(83.06,57.28) v1(83.57,57.66)
VBAT: length 83.7
  TOP w0.127: U7.C1 U7.B2 U7.A3 ; U7.R4 U7.P3 ; U7.K15 59.56,45.06 ; U7.P14 v3(57.09,46.33)
  TOP w0.178: U7.R9 56.88,48.11 56.52,48.26
  TOP w0.203: U7.D9 61.24,47.93 61.06,47.75 61.06,47.53 ; 61.06,47.53 61.06,47.32 ; 61.06,47.53 U7.D10 ; 61.06,47.32 61.25,47.13 U7.D11 ; 61.06,47.32 v1(60.78,47.04) ; U7.L1 U7.K1 59.09,51.53 v1(58.99,51.63) ; U7.D12 61.08,46.73 v1(60.78,47.04) ; U7.K11 59.09,47.04 59.4,46.74 60.48,46.74 v1(60.78,47.04) ; U7.A3 62.8,50.33 63.12,50.65 v1(63.12,51.79)
  TOP w0.254: v4(56.32,49.53) 56.32,49.53 U7.R5 U7.R4 ; U7.D14 v2(61.09,45.93) U7.E15 ; U2.4 79.38,72.14 v1(79.12,72.39) ; 59.89,44.88 U7.H15 ; 56.52,48.26 v1(55.88,48.46)
  TOP w0.381: v1(81.66,72.16) 81.66,72.01 82.12,71.55 83.12,71.55 D6.2 ; C7.1 v1(76.07,65.41) ; D12.2 75.69,33.39 v1(75.69,34.42) ; R8.1 v1(77.09,74.68) ; v1(75.98,66.54) 75.98,67.2 75.69,67.49 C5.1 75.06,67.11 v1(75.06,66.55) ; v1(83.63,62.99) 83.49,62.85 83.49,62.27 D7.2 ; v1(72.77,66.55) 72.77,67.11 R13.2 73.66,66.98 v1(73.66,66.55) ; R59.1 v1(67.31,47.5)
  LYR2-GND w0.203: v4(56.32,49.53) 56.58,49.28 56.58,49.11 56.96,48.73 v3(57.09,48.73)
  LYR2-GND w0.254: v3(57.09,46.33) 56.64,46.33 56.23,45.92 v1(55.83,45.92)
  LYR3-SIG w0.254: v4(62.74,43.81) 62.74,43.93 62.28,44.39 62.28,45.09 61.61,45.76 61.26,45.76 v2(61.09,45.93)
  LYR3-SIG w0.381: v1(69.34,48.26) 69.98,47.62 69.98,45.85 70.61,45.21 70.61,39.5 69.85,38.73 v1(69.85,37.72)
  LYR4-SIG w0.381: v1(69.85,37.72) 72.43,35.14 74.97,35.14 v1(75.69,34.42)
  LYR5-PWR w0.305: 80.01,76.4 J2.2 ; J2.2 80.01,78.28 ; J2.2 80.95,77.34 ; J2.2 79.07,77.34
  BOTTOM w0.381: C113.1 v1(63.12,51.79) ; v1(43.56,66.42) 43.56,67.55 C142.1 44.45,67.55 v1(44.45,66.42) ; v1(60.91,43.56) 61.1,43.56 61.33,43.31 61.59,43.02 C116.1 ; v1(53.09,46.99) 52.86,46.76 52.6,46.76 R49.1 ; C105.1 57.28,50.49 v4(56.32,49.53) C109.1 ; R59.1 v1(67.31,47.5) ; C141.1 v1(45.72,66.42) ; C108.1 v1(60.78,47.04) ; C111.1 63.35,42.21 63.35,43.21 v4(62.74,43.81) ; v1(76.07,65.41) 76.84,64.64 81.98,64.64 v1(83.63,62.99) ; C115.1 v1(58.99,51.63) ; C119.1 v1(70.61,54.41) ; 56.9,49.02 56.64,49.02 56.08,48.46 v1(55.88,48.46) 55.7,48.64 53.95,48.64 53.7,48.39 C132.1
